# KiCad board Eclipse65.kicad_pcb (continued)
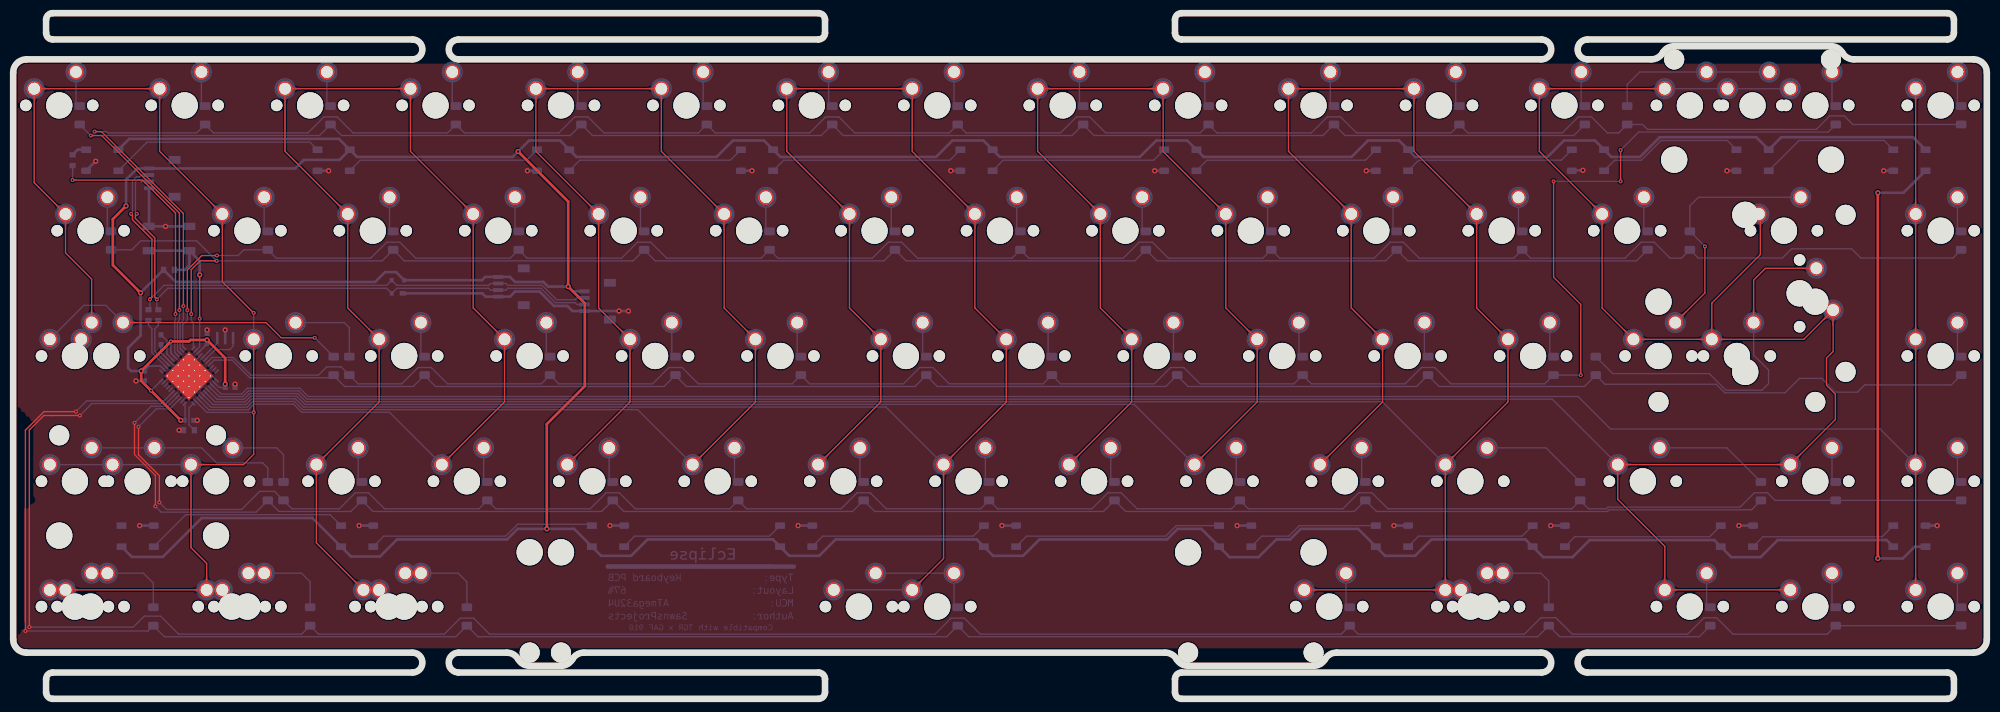
[diagram p0: board, top side]
## Copper pours and planes (outline as drawn; the poured copper is in the pictures) (continued)
C0 on Top: 26.99,16.46 27.1,16.46 27.19,16.46 27.28,16.45 27.36,16.44 27.44,16.42 27.51,16.4 27.58,16.38 27.64,16.36 27.7,16.33 27.76,16.3 27.81,16.27 27.86,16.24 27.91,16.2 27.96,16.17 28.39,15.79 28.44,15.74 28.5,15.7 28.56,15.66 28.63,15.61 28.7,15.57 28.78,15.53 28.86,15.48 29.98,16.56 28.86,17.64 28.78,17.6 28.7,17.56 28.63,17.52 28.56,17.47 28.5,17.43 28.44,17.39 28.39,17.34 27.96,16.96 27.91,16.93 27.86,16.89 27.81,16.86 27.76,16.83 27.7,16.8 27.64,16.77 27.58,16.75 27.51,16.73 27.44,16.71 27.36,16.69 27.28,16.68 27.19,16.67 27.1,16.67 26.99,16.66
C0 on Top: 10.34,16.66 10.24,16.67 10.15,16.67 10.06,16.68 9.97,16.69 9.9,16.71 9.82,16.73 9.76,16.75 9.69,16.77 9.63,16.8 9.58,16.83 9.52,16.86 9.47,16.89 9.42,16.93 9.38,16.96 8.95,17.34 8.89,17.39 8.83,17.43 8.77,17.47 8.7,17.52 8.63,17.56 8.56,17.6 8.48,17.64 7.35,16.56 8.48,15.48 8.56,15.53 8.63,15.57 8.7,15.61 8.77,15.66 8.83,15.7 8.89,15.74 8.95,15.79 9.38,16.17 9.42,16.2 9.47,16.24 9.52,16.27 9.58,16.3 9.63,16.33 9.69,16.36 9.76,16.38 9.82,16.4 9.9,16.42 9.97,16.44 10.06,16.45 10.15,16.46 10.24,16.46 10.34,16.46
C0 on Top: 11.82,59.59 11.82,59.49 11.81,59.4 11.8,59.31 11.79,59.23 11.78,59.15 11.76,59.08 11.74,59.01 11.71,58.95 11.69,58.89 11.66,58.83 11.63,58.78 11.59,58.73 11.56,58.68 11.52,58.63 11.14,58.2 11.1,58.15 11.06,58.09 11.01,58.02 10.97,57.96 10.93,57.89 10.88,57.81 10.84,57.73 11.92,56.6 13,57.73 12.96,57.81 12.92,57.89 12.87,57.96 12.83,58.02 12.79,58.09 12.74,58.15 12.7,58.2 12.32,58.63 12.28,58.68 12.25,58.73 12.22,58.78 12.18,58.83 12.16,58.89 12.13,58.95 12.11,59.01 12.08,59.08 12.07,59.15 12.05,59.23 12.04,59.31 12.03,59.4 12.02,59.49 12.02,59.59
C0 on Top: 8.05,71.32 8.05,71.43 8.06,71.52 8.07,71.61 8.08,71.69 8.1,71.77 8.12,71.84 8.14,71.91 8.16,71.97 8.19,72.03 8.22,72.09 8.25,72.14 8.28,72.19 8.31,72.24 8.35,72.29 8.73,72.72 8.77,72.77 8.82,72.83 8.86,72.9 8.91,72.96 8.95,73.03 8.99,73.11 9.03,73.19 7.95,74.31 6.87,73.19 6.91,73.11 6.96,73.03 7,72.96 7.04,72.9 7.09,72.83 7.13,72.77 7.18,72.72 7.55,72.29 7.59,72.24 7.63,72.19 7.66,72.14 7.69,72.09 7.72,72.03 7.74,71.97 7.77,71.91 7.79,71.84 7.81,71.77 7.82,71.69 7.84,71.61 7.85,71.52 7.85,71.43 7.85,71.32
C0 on Top: 36.63,52.27 36.63,52.38 36.63,52.47 36.64,52.56 36.66,52.64 36.67,52.72 36.69,52.79 36.71,52.86 36.74,52.92 36.76,52.98 36.79,53.04 36.82,53.09 36.85,53.14 36.89,53.19 36.93,53.24 37.3,53.67 37.35,53.72 37.39,53.78 37.44,53.85 37.48,53.91 37.52,53.98 37.57,54.06 37.61,54.14 36.53,55.26 35.45,54.14 35.49,54.06 35.53,53.98 35.57,53.91 35.62,53.85 35.66,53.78 35.71,53.72 35.75,53.67 36.13,53.24 36.17,53.19 36.2,53.14 36.23,53.09 36.26,53.04 36.29,52.98 36.32,52.92 36.34,52.86 36.36,52.79 36.38,52.72 36.4,52.64 36.41,52.56 36.42,52.47 36.43,52.38 36.43,52.27
C0 on Top: 29.39,35.71 29.29,35.72 29.2,35.72 29.11,35.73 29.02,35.74 28.95,35.76 28.87,35.78 28.81,35.8 28.74,35.82 28.68,35.85 28.63,35.88 28.57,35.91 28.52,35.94 28.47,35.98 28.43,36.01 28,36.39 27.94,36.44 27.88,36.48 27.82,36.52 27.75,36.57 27.68,36.61 27.61,36.65 27.53,36.69 26.4,35.61 27.53,34.53 27.61,34.58 27.68,34.62 27.75,34.66 27.82,34.71 27.88,34.75 27.94,34.79 28,34.84 28.43,35.22 28.47,35.25 28.52,35.29 28.57,35.32 28.63,35.35 28.68,35.38 28.74,35.41 28.81,35.43 28.87,35.45 28.95,35.47 29.02,35.49 29.11,35.5 29.2,35.51 29.29,35.51 29.39,35.51
C0 on Top: 22.34,90.37 22.34,90.48 22.35,90.57 22.36,90.66 22.37,90.74 22.38,90.82 22.4,90.89 22.42,90.96 22.45,91.02 22.47,91.08 22.5,91.14 22.53,91.19 22.57,91.24 22.6,91.29 22.64,91.34 23.02,91.77 23.06,91.82 23.11,91.88 23.15,91.95 23.19,92.01 23.24,92.08 23.28,92.16 23.32,92.24 22.24,93.36 21.16,92.24 21.2,92.16 21.24,92.08 21.29,92.01 21.33,91.95 21.37,91.88 21.42,91.82 21.46,91.77 21.84,91.34 21.88,91.29 21.91,91.24 21.95,91.19 21.98,91.14 22.01,91.08 22.03,91.02 22.06,90.96 22.08,90.89 22.1,90.82 22.11,90.74 22.12,90.66 22.13,90.57 22.14,90.48 22.14,90.37
C0 on Top: 30,75.33 30.08,75.26 30.14,75.19 30.19,75.12 30.24,75.05 30.29,74.99 30.33,74.92 30.36,74.86 30.39,74.8 30.41,74.74 30.43,74.68 30.45,74.62 30.46,74.56 30.47,74.5 30.48,74.44 30.51,73.87 30.52,73.8 30.53,73.73 30.54,73.65 30.56,73.57 30.58,73.49 30.6,73.41 30.63,73.32 32.19,73.29 32.16,74.85 32.07,74.88 31.99,74.9 31.91,74.92 31.83,74.94 31.75,74.95 31.68,74.96 31.61,74.97 31.04,75 30.98,75.01 30.92,75.02 30.86,75.03 30.8,75.05 30.74,75.07 30.68,75.09 30.62,75.12 30.56,75.15 30.49,75.19 30.43,75.24 30.36,75.29 30.29,75.34 30.22,75.4 30.15,75.48
C0 on Top: 27.1,33.22 27.1,33.33 27.11,33.42 27.12,33.51 27.13,33.59 27.15,33.67 27.17,33.74 27.19,33.81 27.21,33.87 27.24,33.93 27.27,33.99 27.3,34.04 27.33,34.09 27.36,34.14 27.4,34.19 27.78,34.62 27.82,34.67 27.87,34.73 27.91,34.8 27.96,34.86 28,34.93 28.04,35.01 28.08,35.09 27,36.21 25.92,35.09 25.96,35.01 26.01,34.93 26.05,34.86 26.09,34.8 26.14,34.73 26.18,34.67 26.23,34.62 26.6,34.19 26.64,34.14 26.68,34.09 26.71,34.04 26.74,33.99 26.77,33.93 26.79,33.87 26.82,33.81 26.84,33.74 26.86,33.67 26.87,33.59 26.89,33.51 26.9,33.42 26.9,33.33 26.9,33.22
C0 on Top: 29.28,18.95 29.28,18.85 29.28,18.76 29.27,18.67 29.26,18.59 29.24,18.51 29.22,18.44 29.2,18.37 29.18,18.31 29.15,18.25 29.12,18.19 29.09,18.14 29.06,18.09 29.02,18.04 28.99,17.99 28.61,17.56 28.56,17.51 28.52,17.45 28.47,17.38 28.43,17.32 28.39,17.25 28.35,17.17 28.3,17.09 29.38,15.96 30.46,17.09 30.42,17.17 30.38,17.25 30.34,17.32 30.29,17.38 30.25,17.45 30.2,17.51 30.16,17.56 29.78,17.99 29.75,18.04 29.71,18.09 29.68,18.14 29.65,18.19 29.62,18.25 29.59,18.31 29.57,18.37 29.55,18.44 29.53,18.51 29.51,18.59 29.5,18.67 29.49,18.76 29.49,18.85 29.48,18.95
C0 on Top: 5.58,92.86 5.48,92.87 5.38,92.87 5.29,92.88 5.21,92.89 5.13,92.91 5.06,92.93 4.99,92.95 4.93,92.97 4.87,93 4.82,93.03 4.76,93.06 4.71,93.09 4.66,93.13 4.61,93.16 4.19,93.54 4.13,93.59 4.07,93.63 4.01,93.67 3.94,93.72 3.87,93.76 3.79,93.8 3.71,93.84 2.59,92.76 3.71,91.68 3.79,91.73 3.87,91.77 3.94,91.81 4.01,91.86 4.07,91.9 4.13,91.94 4.19,91.99 4.61,92.37 4.66,92.4 4.71,92.44 4.76,92.47 4.82,92.5 4.87,92.53 4.93,92.56 4.99,92.58 5.06,92.6 5.13,92.62 5.21,92.64 5.29,92.65 5.38,92.66 5.48,92.66 5.58,92.66
C0 on Top: 19.85,92.66 19.95,92.66 20.05,92.66 20.14,92.65 20.22,92.64 20.3,92.62 20.37,92.6 20.44,92.58 20.5,92.56 20.56,92.53 20.61,92.5 20.67,92.47 20.72,92.44 20.77,92.4 20.82,92.37 21.24,91.99 21.3,91.94 21.36,91.9 21.42,91.86 21.49,91.81 21.56,91.77 21.64,91.73 21.72,91.68 22.84,92.76 21.72,93.84 21.64,93.8 21.56,93.76 21.49,93.72 21.42,93.67 21.36,93.63 21.3,93.59 21.24,93.54 20.82,93.16 20.77,93.13 20.72,93.09 20.67,93.06 20.61,93.03 20.56,93 20.5,92.97 20.44,92.95 20.37,92.93 20.3,92.91 20.22,92.89 20.14,92.88 20.05,92.87 19.95,92.87 19.85,92.86
C0 on Top: 31.87,71.32 31.87,71.43 31.87,71.52 31.88,71.61 31.89,71.69 31.91,71.77 31.93,71.84 31.95,71.91 31.97,71.97 32,72.03 32.03,72.09 32.06,72.14 32.09,72.19 32.13,72.24 32.16,72.29 32.54,72.72 32.59,72.77 32.63,72.83 32.67,72.9 32.72,72.96 32.76,73.03 32.8,73.11 32.85,73.19 31.77,74.31 30.69,73.19 30.73,73.11 30.77,73.03 30.81,72.96 30.86,72.9 30.9,72.83 30.94,72.77 30.99,72.72 31.37,72.29 31.4,72.24 31.44,72.19 31.47,72.14 31.5,72.09 31.53,72.03 31.56,71.97 31.58,71.91 31.6,71.84 31.62,71.77 31.64,71.69 31.65,71.61 31.66,71.52 31.66,71.43 31.67,71.32
C0 on Top: 3.29,90.37 3.29,90.48 3.3,90.57 3.31,90.66 3.32,90.74 3.33,90.82 3.35,90.89 3.37,90.96 3.4,91.02 3.42,91.08 3.45,91.14 3.48,91.19 3.52,91.24 3.55,91.29 3.59,91.34 3.97,91.77 4.01,91.82 4.06,91.88 4.1,91.95 4.14,92.01 4.19,92.08 4.23,92.16 4.27,92.24 3.19,93.36 2.11,92.24 2.15,92.16 2.19,92.08 2.24,92.01 2.28,91.95 2.32,91.88 2.37,91.82 2.41,91.77 2.79,91.34 2.83,91.29 2.86,91.24 2.9,91.19 2.93,91.14 2.96,91.08 2.98,91.02 3.01,90.96 3.03,90.89 3.05,90.82 3.06,90.74 3.07,90.66 3.08,90.57 3.09,90.48 3.09,90.37
C0 on Top: 6.19,75.33 6.26,75.26 6.33,75.19 6.38,75.12 6.43,75.05 6.48,74.99 6.51,74.92 6.55,74.86 6.57,74.8 6.6,74.74 6.62,74.68 6.63,74.62 6.65,74.56 6.66,74.5 6.66,74.44 6.7,73.87 6.71,73.8 6.72,73.73 6.73,73.65 6.75,73.57 6.77,73.49 6.79,73.41 6.82,73.32 8.38,73.29 8.35,74.85 8.26,74.88 8.18,74.9 8.09,74.92 8.02,74.94 7.94,74.95 7.87,74.96 7.8,74.97 7.23,75 7.17,75.01 7.11,75.02 7.05,75.03 6.99,75.05 6.93,75.07 6.87,75.09 6.81,75.12 6.74,75.15 6.68,75.19 6.61,75.24 6.55,75.29 6.48,75.34 6.41,75.4 6.33,75.48
C0 on Bottom: 24.61,35.51 24.71,35.51 24.81,35.51 24.9,35.5 24.98,35.49 25.06,35.47 25.13,35.45 25.2,35.43 25.26,35.41 25.32,35.38 25.38,35.35 25.43,35.32 25.48,35.29 25.53,35.25 25.58,35.22 26.01,34.84 26.06,34.79 26.12,34.75 26.18,34.71 26.25,34.66 26.32,34.62 26.4,34.58 26.48,34.53 27.6,35.61 26.48,36.69 26.4,36.65 26.32,36.61 26.25,36.57 26.18,36.52 26.12,36.48 26.06,36.44 26.01,36.39 25.58,36.01 25.53,35.98 25.48,35.94 25.43,35.91 25.38,35.88 25.32,35.85 25.26,35.82 25.2,35.8 25.13,35.78 25.06,35.76 24.98,35.74 24.9,35.73 24.81,35.72 24.71,35.72 24.61,35.71
C0 on Bottom: 23.81,35.51 23.95,35.51 24.08,35.5 24.2,35.49 24.31,35.48 24.41,35.45 24.51,35.43 24.6,35.4 24.68,35.37 24.76,35.33 24.83,35.29 24.91,35.25 24.97,35.2 25.04,35.15 25.1,35.1 25.16,35.05 25.22,35 25.53,34.71 25.6,34.65 25.67,34.59 25.74,34.53 25.82,34.47 25.91,34.41 26,34.35 26.09,34.29 26.2,34.23 26.31,34.17 27.8,35.61 26.31,37.05 26.2,37 26.09,36.94 26,36.88 25.91,36.82 25.82,36.76 25.74,36.7 25.67,36.64 25.6,36.58 25.53,36.52 25.22,36.23 25.16,36.18 25.1,36.13 25.04,36.08 24.97,36.03 24.91,35.98 24.83,35.94 24.76,35.9 24.68,35.86 24.6,35.83 24.51,35.8 24.41,35.78 24.31,35.75 24.2,35.74 24.08,35.73 23.95,35.72 23.81,35.71
C0 on Bottom: 18.29,35.71 18.15,35.72 18.02,35.73 17.9,35.74 17.79,35.75 17.69,35.78 17.59,35.8 17.5,35.83 17.42,35.86 17.34,35.9 17.26,35.94 17.19,35.98 17.13,36.03 17.06,36.08 17,36.13 16.94,36.18 16.88,36.23 16.57,36.52 16.5,36.58 16.43,36.64 16.35,36.7 16.28,36.76 16.19,36.82 16.1,36.88 16.01,36.94 15.9,37 15.79,37.05 14.3,35.61 15.79,34.17 15.9,34.23 16.01,34.29 16.1,34.35 16.19,34.41 16.28,34.47 16.35,34.53 16.43,34.59 16.5,34.65 16.57,34.71 16.88,35 16.94,35.05 17,35.1 17.06,35.15 17.13,35.2 17.19,35.25 17.26,35.29 17.34,35.33 17.42,35.37 17.5,35.4 17.59,35.43 17.69,35.45 17.79,35.48 17.9,35.49 18.02,35.5 18.15,35.51 18.29,35.51
C0 on Bottom: 17.49,35.71 17.38,35.72 17.29,35.72 17.2,35.73 17.12,35.74 17.04,35.76 16.97,35.78 16.9,35.8 16.84,35.82 16.78,35.85 16.72,35.88 16.67,35.91 16.62,35.94 16.57,35.98 16.52,36.01 16.09,36.39 16.04,36.44 15.98,36.48 15.92,36.52 15.85,36.57 15.78,36.61 15.7,36.65 15.62,36.69 14.5,35.61 15.62,34.53 15.7,34.58 15.78,34.62 15.85,34.66 15.92,34.71 15.98,34.75 16.04,34.79 16.09,34.84 16.52,35.22 16.57,35.25 16.62,35.29 16.67,35.32 16.72,35.35 16.78,35.38 16.84,35.41 16.9,35.43 16.97,35.45 17.04,35.47 17.12,35.49 17.2,35.5 17.29,35.51 17.38,35.51 17.49,35.51
C0 on Bottom: 7.96,35.71 7.86,35.72 7.76,35.72 7.68,35.73 7.59,35.74 7.52,35.76 7.44,35.78 7.38,35.8 7.31,35.82 7.25,35.85 7.2,35.88 7.14,35.91 7.09,35.94 7.04,35.98 7,36.01 6.57,36.39 6.51,36.44 6.45,36.48 6.39,36.52 6.32,36.57 6.25,36.61 6.18,36.65 6.09,36.69 4.97,35.61 6.09,34.53 6.18,34.58 6.25,34.62 6.32,34.66 6.39,34.71 6.45,34.75 6.51,34.79 6.57,34.84 7,35.22 7.04,35.25 7.09,35.29 7.14,35.32 7.2,35.35 7.25,35.38 7.31,35.41 7.38,35.43 7.44,35.45 7.52,35.47 7.59,35.49 7.68,35.5 7.76,35.51 7.86,35.51 7.96,35.51
C0 on Bottom: 8.76,35.71 8.62,35.72 8.5,35.73 8.38,35.74 8.27,35.75 8.16,35.78 8.07,35.8 7.98,35.83 7.89,35.86 7.81,35.9 7.74,35.94 7.67,35.98 7.6,36.03 7.54,36.08 7.47,36.13 7.41,36.18 7.35,36.23 7.04,36.52 6.97,36.58 6.9,36.64 6.83,36.7 6.75,36.76 6.67,36.82 6.58,36.88 6.48,36.94 6.38,37 6.27,37.05 4.77,35.61 6.27,34.17 6.38,34.23 6.48,34.29 6.58,34.35 6.67,34.41 6.75,34.47 6.83,34.53 6.9,34.59 6.97,34.65 7.04,34.71 7.35,35 7.41,35.05 7.47,35.1 7.54,35.15 7.6,35.2 7.67,35.25 7.74,35.29 7.81,35.33 7.89,35.37 7.98,35.4 8.07,35.43 8.16,35.45 8.27,35.48 8.38,35.49 8.5,35.5 8.62,35.51 8.76,35.51
C0 on Bottom: 11.91,35.51 12.04,35.51 12.17,35.5 12.29,35.49 12.4,35.48 12.5,35.45 12.6,35.43 12.69,35.4 12.77,35.37 12.85,35.33 12.93,35.29 13,35.25 13.07,35.2 13.13,35.15 13.2,35.1 13.26,35.05 13.32,35 13.63,34.71 13.69,34.65 13.76,34.59 13.84,34.53 13.92,34.47 14,34.41 14.09,34.35 14.19,34.29 14.29,34.23 14.4,34.17 15.9,35.61 14.4,37.05 14.29,37 14.19,36.94 14.09,36.88 14,36.82 13.92,36.76 13.84,36.7 13.76,36.64 13.69,36.58 13.63,36.52 13.32,36.23 13.26,36.18 13.2,36.13 13.13,36.08 13.07,36.03 13,35.98 12.93,35.94 12.85,35.9 12.77,35.86 12.69,35.83 12.6,35.8 12.5,35.78 12.4,35.75 12.29,35.74 12.17,35.73 12.04,35.72 11.91,35.71
C0 on Bottom: 12.71,35.51 12.81,35.51 12.9,35.51 12.99,35.5 13.07,35.49 13.15,35.47 13.22,35.45 13.29,35.43 13.36,35.41 13.41,35.38 13.47,35.35 13.52,35.32 13.58,35.29 13.62,35.25 13.67,35.22 14.1,34.84 14.16,34.79 14.21,34.75 14.28,34.71 14.34,34.66 14.42,34.62 14.49,34.58 14.57,34.53 15.7,35.61 14.57,36.69 14.49,36.65 14.42,36.61 14.34,36.57 14.28,36.52 14.21,36.48 14.16,36.44 14.1,36.39 13.67,36.01 13.62,35.98 13.58,35.94 13.52,35.91 13.47,35.88 13.41,35.85 13.36,35.82 13.29,35.8 13.22,35.78 13.15,35.76 13.07,35.74 12.99,35.73 12.9,35.72 12.81,35.72 12.71,35.71
C0 on Bottom: 36.43,57.05 36.43,56.95 36.42,56.86 36.41,56.77 36.4,56.69 36.38,56.61 36.36,56.54 36.34,56.47 36.32,56.41 36.29,56.35 36.26,56.29 36.23,56.24 36.2,56.19 36.17,56.14 36.13,56.09 35.75,55.66 35.71,55.61 35.66,55.55 35.62,55.48 35.57,55.42 35.53,55.35 35.49,55.27 35.45,55.19 36.53,54.06 37.61,55.19 37.57,55.27 37.52,55.35 37.48,55.42 37.44,55.48 37.39,55.55 37.35,55.61 37.3,55.66 36.93,56.09 36.89,56.14 36.85,56.19 36.82,56.24 36.79,56.29 36.76,56.35 36.74,56.41 36.71,56.47 36.69,56.54 36.67,56.61 36.66,56.69 36.64,56.77 36.63,56.86 36.63,56.95 36.63,57.05
C0 on Bottom: 36.43,57.85 36.42,57.72 36.42,57.59 36.4,57.47 36.39,57.36 36.37,57.26 36.34,57.16 36.31,57.07 36.28,56.99 36.24,56.91 36.2,56.83 36.16,56.76 36.11,56.69 36.07,56.63 36.02,56.57 35.96,56.5 35.91,56.44 35.62,56.14 35.56,56.07 35.5,56 35.44,55.92 35.38,55.84 35.32,55.76 35.26,55.67 35.2,55.57 35.14,55.47 35.09,55.36 36.53,53.86 37.97,55.36 37.91,55.47 37.85,55.57 37.8,55.67 37.74,55.76 37.68,55.84 37.62,55.92 37.56,56 37.5,56.07 37.44,56.14 37.14,56.44 37.09,56.5 37.04,56.57 36.99,56.63 36.94,56.69 36.9,56.76 36.85,56.83 36.81,56.91 36.78,56.99 36.74,57.07 36.71,57.16 36.69,57.26 36.67,57.36 36.65,57.47 36.64,57.59 36.63,57.72 36.63,57.85
C1 on Top: 46.15,33.22 46.15,33.33 46.16,33.42 46.17,33.51 46.18,33.59 46.2,33.67 46.22,33.74 46.24,33.81 46.26,33.87 46.29,33.93 46.32,33.99 46.35,34.04 46.38,34.09 46.41,34.14 46.45,34.19 46.83,34.62 46.87,34.67 46.92,34.73 46.96,34.8 47.01,34.86 47.05,34.93 47.09,35.01 47.13,35.09 46.05,36.21 44.97,35.09 45.01,35.01 45.06,34.93 45.1,34.86 45.14,34.8 45.19,34.73 45.23,34.67 45.28,34.62 45.65,34.19 45.69,34.14 45.73,34.09 45.76,34.04 45.79,33.99 45.82,33.93 45.84,33.87 45.87,33.81 45.89,33.74 45.91,33.67 45.92,33.59 45.94,33.51 45.95,33.42 45.95,33.33 45.95,33.22
C1 on Top: 51.44,18.18 51.51,18.11 51.57,18.04 51.63,17.97 51.68,17.9 51.72,17.84 51.76,17.77 51.79,17.71 51.82,17.65 51.84,17.59 51.86,17.53 51.88,17.47 51.89,17.41 51.9,17.35 51.91,17.29 51.94,16.72 51.95,16.65 51.96,16.58 51.97,16.5 51.99,16.42 52.01,16.34 52.03,16.26 52.06,16.17 53.62,16.14 53.59,17.7 53.5,17.73 53.42,17.75 53.34,17.77 53.26,17.79 53.18,17.8 53.11,17.81 53.04,17.82 52.47,17.85 52.41,17.86 52.35,17.87 52.29,17.88 52.23,17.9 52.17,17.92 52.11,17.94 52.05,17.97 51.99,18 51.92,18.04 51.86,18.09 51.79,18.14 51.72,18.19 51.65,18.25 51.58,18.33
C1 on Top: 55.68,52.27 55.68,52.38 55.68,52.47 55.69,52.56 55.71,52.64 55.72,52.72 55.74,52.79 55.76,52.86 55.79,52.92 55.81,52.98 55.84,53.04 55.87,53.09 55.9,53.14 55.94,53.19 55.98,53.24 56.35,53.67 56.4,53.72 56.44,53.78 56.49,53.85 56.53,53.91 56.57,53.98 56.62,54.06 56.66,54.14 55.58,55.26 54.5,54.14 54.54,54.06 54.58,53.98 54.62,53.91 54.67,53.85 54.71,53.78 54.76,53.72 54.8,53.67 55.18,53.24 55.22,53.19 55.25,53.14 55.28,53.09 55.31,53.04 55.34,52.98 55.37,52.92 55.39,52.86 55.41,52.79 55.43,52.72 55.45,52.64 55.46,52.56 55.47,52.47 55.48,52.38 55.48,52.27
C1 on Top: 47.67,37.38 47.6,37.3 47.53,37.24 47.46,37.19 47.39,37.14 47.33,37.09 47.26,37.05 47.2,37.02 47.14,36.99 47.08,36.97 47.02,36.95 46.96,36.93 46.9,36.92 46.84,36.91 46.78,36.9 46.21,36.87 46.14,36.86 46.06,36.85 45.99,36.84 45.91,36.82 45.83,36.8 45.75,36.78 45.66,36.75 45.63,35.19 47.19,35.22 47.21,35.31 47.24,35.39 47.26,35.47 47.27,35.55 47.29,35.63 47.3,35.7 47.31,35.77 47.34,36.34 47.35,36.4 47.36,36.46 47.37,36.52 47.39,36.58 47.41,36.64 47.43,36.7 47.46,36.76 47.49,36.82 47.53,36.89 47.57,36.95 47.62,37.02 47.68,37.09 47.74,37.16 47.81,37.23
C1 on Top: 74.73,52.27 74.73,52.38 74.73,52.47 74.74,52.56 74.76,52.64 74.77,52.72 74.79,52.79 74.81,52.86 74.84,52.92 74.86,52.98 74.89,53.04 74.92,53.09 74.95,53.14 74.99,53.19 75.03,53.24 75.4,53.67 75.45,53.72 75.49,53.78 75.54,53.85 75.58,53.91 75.62,53.98 75.67,54.06 75.71,54.14 74.63,55.26 73.55,54.14 73.59,54.06 73.63,53.98 73.67,53.91 73.72,53.85 73.76,53.78 73.81,53.72 73.85,53.67 74.23,53.24 74.27,53.19 74.3,53.14 74.33,53.09 74.36,53.04 74.39,52.98 74.42,52.92 74.44,52.86 74.46,52.79 74.48,52.72 74.5,52.64 74.51,52.56 74.52,52.47 74.53,52.38 74.53,52.27
C1 on Top: 66.72,37.38 66.65,37.3 66.58,37.24 66.51,37.19 66.44,37.14 66.38,37.09 66.31,37.05 66.25,37.02 66.19,36.99 66.13,36.97 66.07,36.95 66.01,36.93 65.95,36.92 65.89,36.91 65.83,36.9 65.26,36.87 65.19,36.86 65.11,36.85 65.04,36.84 64.96,36.82 64.88,36.8 64.8,36.78 64.71,36.75 64.68,35.19 66.24,35.22 66.26,35.31 66.29,35.39 66.31,35.47 66.32,35.55 66.34,35.63 66.35,35.7 66.36,35.77 66.39,36.34 66.4,36.4 66.41,36.46 66.42,36.52 66.44,36.58 66.46,36.64 66.48,36.7 66.51,36.76 66.54,36.82 66.58,36.89 66.62,36.95 66.67,37.02 66.73,37.09 66.79,37.16 66.86,37.23
C1 on Top: 41.39,90.37 41.39,90.48 41.4,90.57 41.41,90.66 41.42,90.74 41.43,90.82 41.45,90.89 41.47,90.96 41.5,91.02 41.52,91.08 41.55,91.14 41.58,91.19 41.62,91.24 41.65,91.29 41.69,91.34 42.07,91.77 42.11,91.82 42.16,91.88 42.2,91.95 42.24,92.01 42.29,92.08 42.33,92.16 42.37,92.24 41.29,93.36 40.21,92.24 40.25,92.16 40.29,92.08 40.34,92.01 40.38,91.95 40.42,91.88 40.47,91.82 40.51,91.77 40.89,91.34 40.93,91.29 40.96,91.24 41,91.19 41.03,91.14 41.06,91.08 41.08,91.02 41.11,90.96 41.13,90.89 41.15,90.82 41.16,90.74 41.17,90.66 41.18,90.57 41.19,90.48 41.19,90.37
C1 on Top: 49.05,75.33 49.13,75.26 49.19,75.19 49.24,75.12 49.29,75.05 49.34,74.99 49.38,74.92 49.41,74.86 49.44,74.8 49.46,74.74 49.48,74.68 49.5,74.62 49.51,74.56 49.52,74.5 49.53,74.44 49.56,73.87 49.57,73.8 49.58,73.73 49.59,73.65 49.61,73.57 49.63,73.49 49.65,73.41 49.68,73.32 51.24,73.29 51.21,74.85 51.12,74.88 51.04,74.9 50.96,74.92 50.88,74.94 50.8,74.95 50.73,74.96 50.66,74.97 50.09,75 50.03,75.01 49.97,75.02 49.91,75.03 49.85,75.05 49.79,75.07 49.73,75.09 49.67,75.12 49.61,75.15 49.54,75.19 49.48,75.24 49.41,75.29 49.34,75.34 49.27,75.4 49.2,75.48
C1 on Top: 50.92,71.32 50.92,71.43 50.92,71.52 50.93,71.61 50.94,71.69 50.96,71.77 50.98,71.84 51,71.91 51.02,71.97 51.05,72.03 51.08,72.09 51.11,72.14 51.14,72.19 51.18,72.24 51.21,72.29 51.59,72.72 51.64,72.77 51.68,72.83 51.72,72.9 51.77,72.96 51.81,73.03 51.85,73.11 51.9,73.19 50.82,74.31 49.74,73.19 49.78,73.11 49.82,73.03 49.86,72.96 49.91,72.9 49.95,72.83 49.99,72.77 50.04,72.72 50.42,72.29 50.45,72.24 50.49,72.19 50.52,72.14 50.55,72.09 50.58,72.03 50.61,71.97 50.63,71.91 50.65,71.84 50.67,71.77 50.69,71.69 50.7,71.61 50.71,71.52 50.71,71.43 50.72,71.32
C1 on Top: 53.82,56.28 53.89,56.21 53.95,56.14 54.01,56.07 54.06,56 54.1,55.94 54.14,55.87 54.17,55.81 54.2,55.75 54.22,55.69 54.24,55.63 54.26,55.57 54.27,55.51 54.28,55.45 54.29,55.39 54.32,54.82 54.33,54.75 54.34,54.68 54.36,54.6 54.37,54.52 54.39,54.44 54.42,54.36 54.44,54.27 56,54.24 55.97,55.8 55.88,55.83 55.8,55.85 55.72,55.87 55.64,55.89 55.57,55.9 55.49,55.91 55.42,55.92 54.85,55.95 54.79,55.96 54.73,55.97 54.67,55.98 54.61,56 54.55,56.02 54.49,56.04 54.43,56.07 54.37,56.1 54.3,56.14 54.24,56.19 54.17,56.24 54.1,56.29 54.03,56.35 53.96,56.43
C1 on Top: 69.97,71.32 69.97,71.43 69.97,71.52 69.98,71.61 69.99,71.69 70.01,71.77 70.03,71.84 70.05,71.91 70.07,71.97 70.1,72.03 70.13,72.09 70.16,72.14 70.19,72.19 70.23,72.24 70.26,72.29 70.64,72.72 70.69,72.77 70.73,72.83 70.77,72.9 70.82,72.96 70.86,73.03 70.9,73.11 70.95,73.19 69.87,74.31 68.79,73.19 68.83,73.11 68.87,73.03 68.91,72.96 68.96,72.9 69,72.83 69.04,72.77 69.09,72.72 69.47,72.29 69.5,72.24 69.54,72.19 69.57,72.14 69.6,72.09 69.63,72.03 69.66,71.97 69.68,71.91 69.7,71.84 69.72,71.77 69.74,71.69 69.75,71.61 69.76,71.52 69.76,71.43 69.77,71.32
C1 on Top: 72.87,56.28 72.94,56.21 73,56.14 73.06,56.07 73.11,56 73.15,55.94 73.19,55.87 73.22,55.81 73.25,55.75 73.27,55.69 73.29,55.63 73.31,55.57 73.32,55.51 73.33,55.45 73.34,55.39 73.37,54.82 73.38,54.75 73.39,54.68 73.41,54.6 73.42,54.52 73.44,54.44 73.47,54.36 73.49,54.27 75.05,54.24 75.02,55.8 74.93,55.83 74.85,55.85 74.77,55.87 74.69,55.89 74.62,55.9 74.54,55.91 74.47,55.92 73.9,55.95 73.84,55.96 73.78,55.97 73.72,55.98 73.66,56 73.6,56.02 73.54,56.04 73.48,56.07 73.42,56.1 73.35,56.14 73.29,56.19 73.22,56.24 73.15,56.29 73.08,56.35 73.01,56.43
C1 on Top: 60.44,90.37 60.44,90.48 60.45,90.57 60.46,90.66 60.47,90.74 60.48,90.82 60.5,90.89 60.52,90.96 60.55,91.02 60.57,91.08 60.6,91.14 60.63,91.19 60.67,91.24 60.7,91.29 60.74,91.34 61.12,91.77 61.16,91.82 61.21,91.88 61.25,91.95 61.29,92.01 61.34,92.08 61.38,92.16 61.42,92.24 60.34,93.36 59.26,92.24 59.3,92.16 59.34,92.08 59.39,92.01 59.43,91.95 59.47,91.88 59.52,91.82 59.56,91.77 59.94,91.34 59.98,91.29 60.01,91.24 60.05,91.19 60.08,91.14 60.11,91.08 60.13,91.02 60.16,90.96 60.18,90.89 60.2,90.82 60.21,90.74 60.22,90.66 60.23,90.57 60.24,90.48 60.24,90.37
C1 on Top: 68.1,75.33 68.18,75.26 68.24,75.19 68.29,75.12 68.34,75.05 68.39,74.99 68.43,74.92 68.46,74.86 68.49,74.8 68.51,74.74 68.53,74.68 68.55,74.62 68.56,74.56 68.57,74.5 68.58,74.44 68.61,73.87 68.62,73.8 68.63,73.73 68.64,73.65 68.66,73.57 68.68,73.49 68.7,73.41 68.73,73.32 70.29,73.29 70.26,74.85 70.17,74.88 70.09,74.9 70.01,74.92 69.93,74.94 69.85,74.95 69.78,74.96 69.71,74.97 69.14,75 69.08,75.01 69.02,75.02 68.96,75.03 68.9,75.05 68.84,75.07 68.78,75.09 68.72,75.12 68.66,75.15 68.59,75.19 68.53,75.24 68.46,75.29 68.39,75.34 68.32,75.4 68.25,75.48
C1 on Top: 43.68,92.86 43.58,92.87 43.48,92.87 43.39,92.88 43.31,92.89 43.23,92.91 43.16,92.93 43.09,92.95 43.03,92.97 42.97,93 42.92,93.03 42.86,93.06 42.81,93.09 42.76,93.13 42.71,93.16 42.29,93.54 42.23,93.59 42.17,93.63 42.11,93.67 42.04,93.72 41.97,93.76 41.89,93.8 41.81,93.84 40.69,92.76 41.81,91.68 41.89,91.73 41.97,91.77 42.04,91.81 42.11,91.86 42.17,91.9 42.23,91.94 42.29,91.99 42.71,92.37 42.76,92.4 42.81,92.44 42.86,92.47 42.92,92.5 42.97,92.53 43.03,92.56 43.09,92.58 43.16,92.6 43.23,92.62 43.31,92.64 43.39,92.65 43.48,92.66 43.58,92.66 43.68,92.66
C1 on Top: 57.95,92.66 58.05,92.66 58.15,92.66 58.24,92.65 58.32,92.64 58.4,92.62 58.47,92.6 58.54,92.58 58.6,92.56 58.66,92.53 58.71,92.5 58.77,92.47 58.82,92.44 58.87,92.4 58.92,92.37 59.34,91.99 59.4,91.94 59.46,91.9 59.52,91.86 59.59,91.81 59.66,91.77 59.74,91.73 59.82,91.68 60.94,92.76 59.82,93.84 59.74,93.8 59.66,93.76 59.59,93.72 59.52,93.67 59.46,93.63 59.4,93.59 59.34,93.54 58.92,93.16 58.87,93.13 58.82,93.09 58.77,93.06 58.71,93.03 58.66,93 58.6,92.97 58.54,92.95 58.47,92.93 58.4,92.91 58.32,92.89 58.24,92.88 58.15,92.87 58.05,92.87 57.95,92.86